# Altium PCB roach2.PcbDoc (part 22 of 39) (continued)
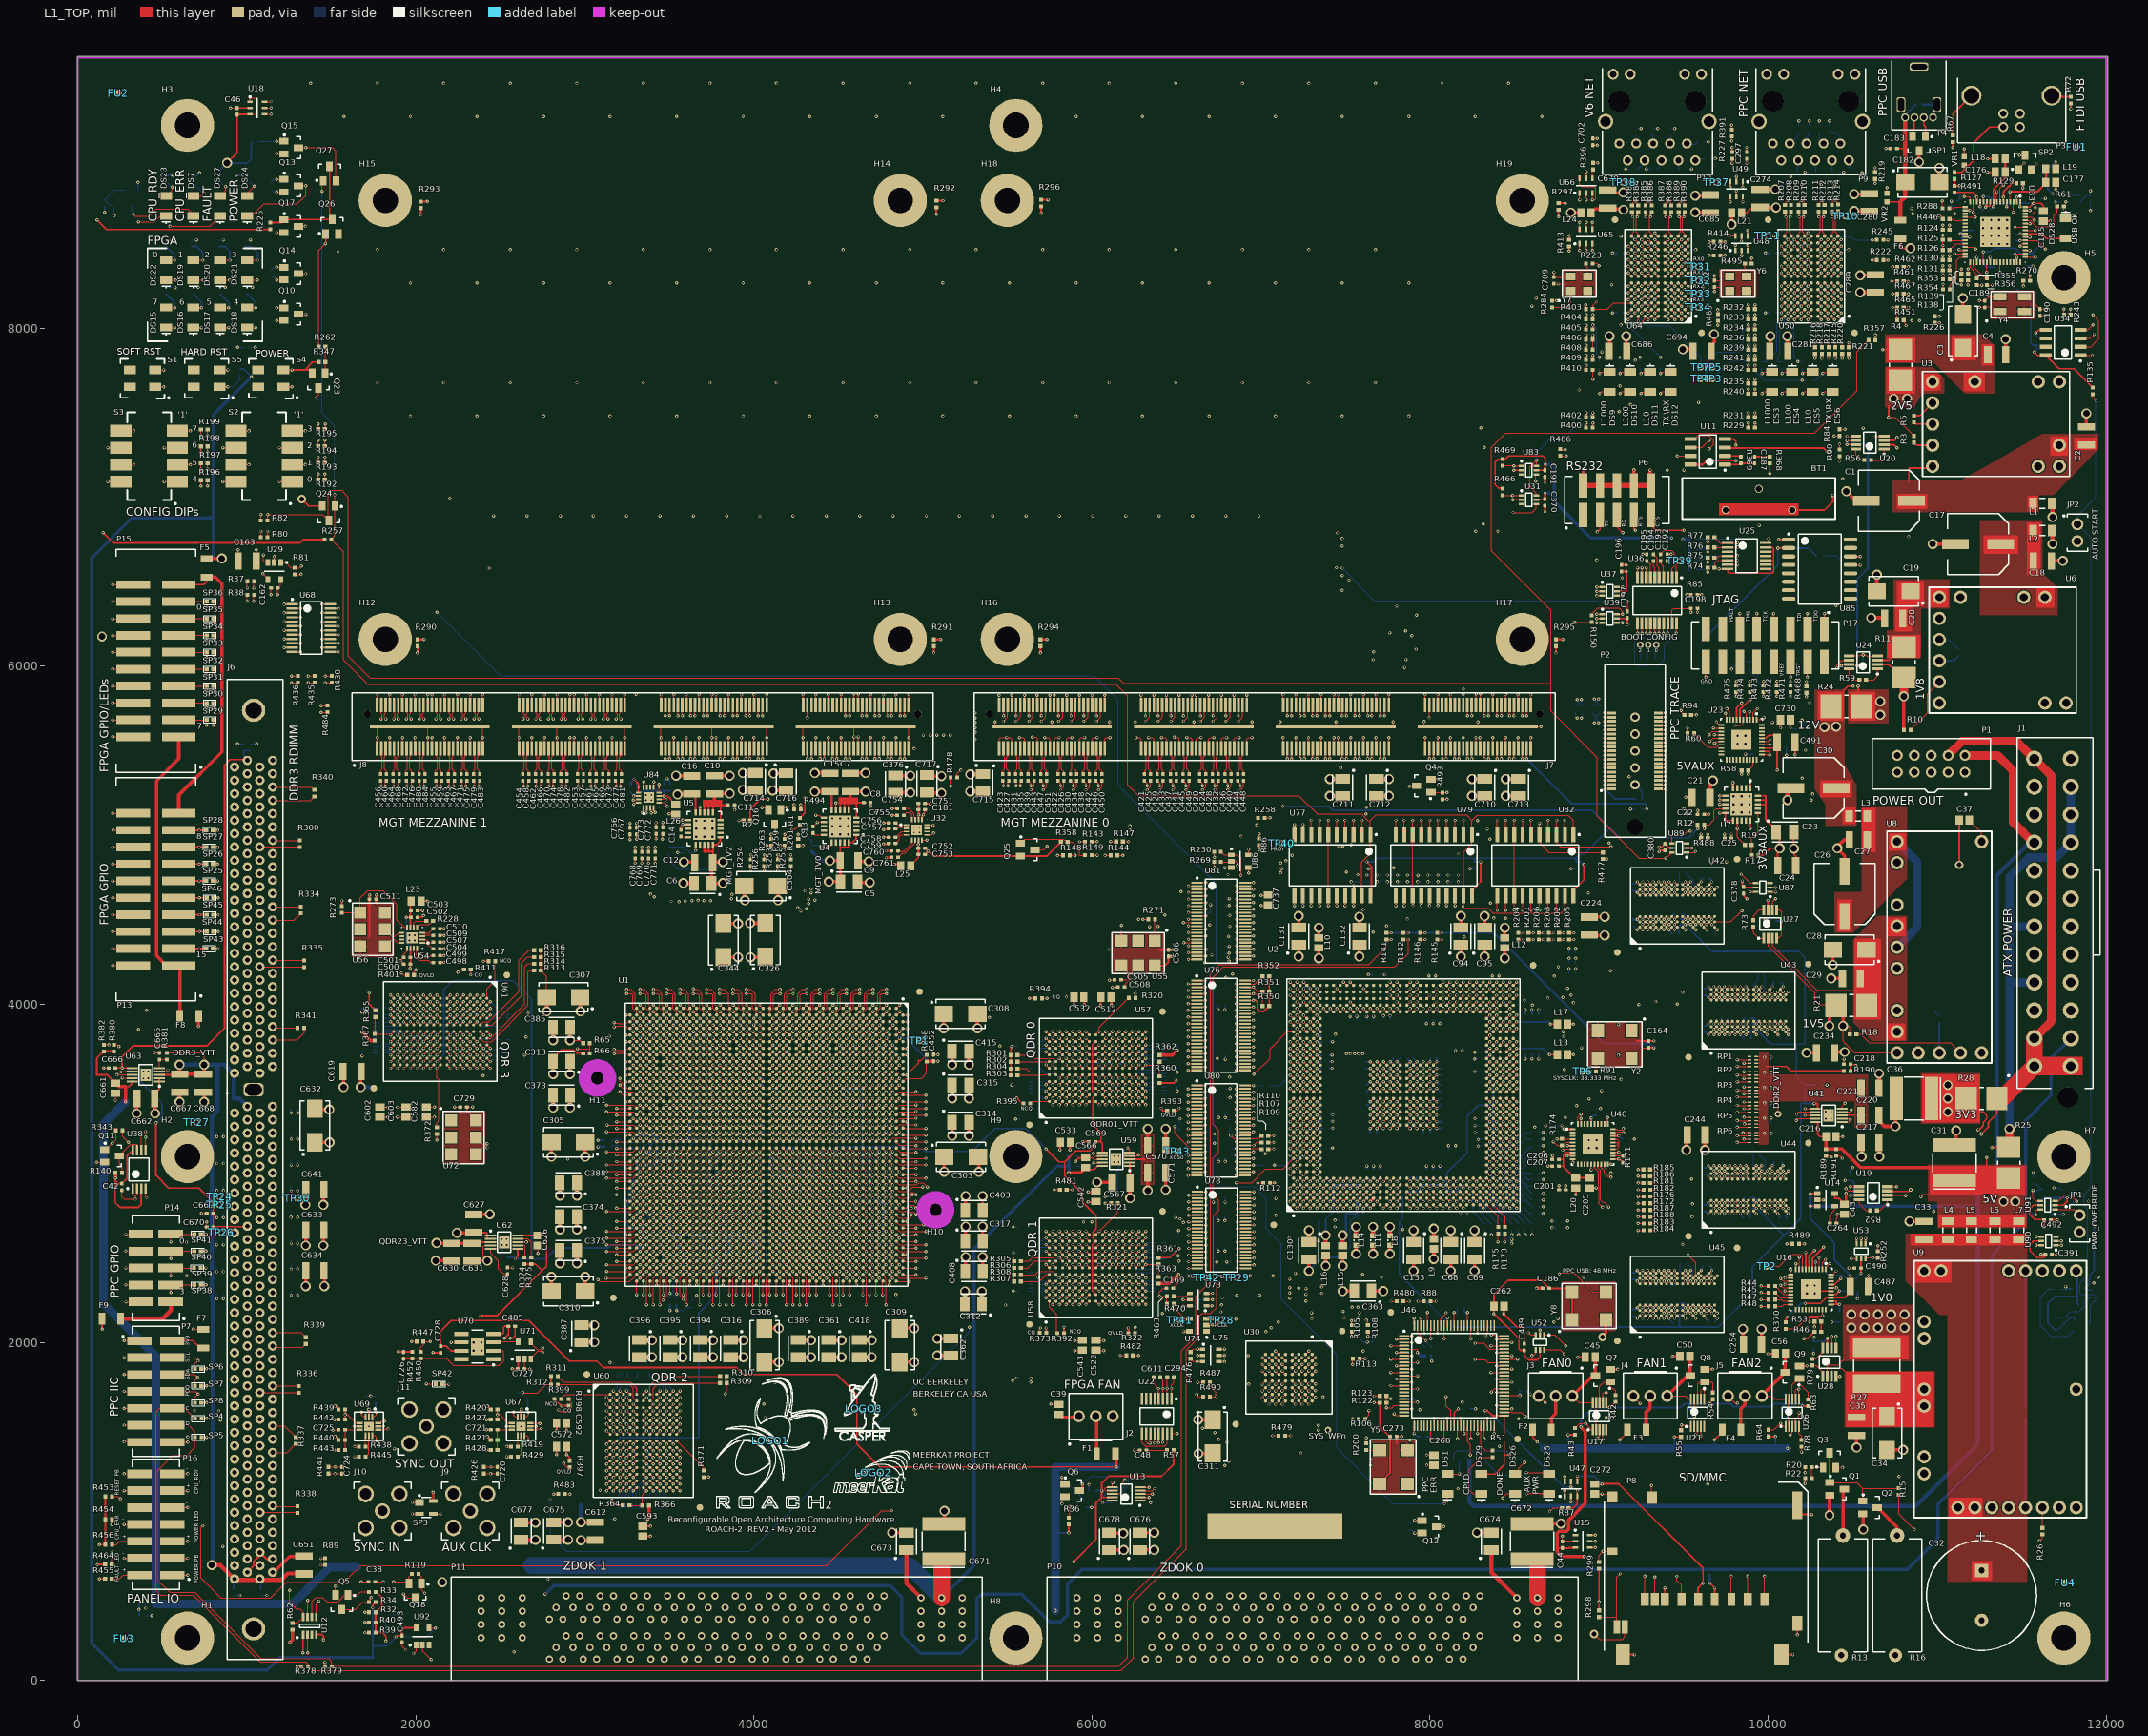
[diagram p0: L1_TOP view]
## Nets (pads, with @x,y where several pads share a name; then routed paths per layer and width w, separated by ;. In a path a pad name is that pad's centre, name@x,y a point inside that pad or via, vN(x,y) a via of type N, cw(c..) or ccw(c..) an arc to the next point about the centre after c; other vN are vias at no path point) (continued)
MGT_RX_AC22_N: C430.1 U1.V4 | length 2521.5
  L1_TOP w5: U1.V4@4212.6,3858.27 v1(4232.28,3877.95) ; C430.1@5874.02,5322.83 5889.8,5307.06 v2(5889.8,5292.99)
  L5_S w3.8: v1(4232.28,3877.95) 4232.28,3889.61 4251.88,3909.21 4251.88,3920.24 4262.99,3931.34 4262.99,4100.99 4262.89,4101.09 4262.89,4167.99 4559.69,4464.79 4945.48,4464.79 5442.98,4962.29 5632.88,4962.29 5909.4,5238.81 5909.4,5277.11 5893.51,5292.99 v2(5889.8,5292.99)
MGT_RX_AC22_P: C434.1 U1.V3 | length 2521.5
  L1_TOP w5: U1.V3@4212.6,3897.64 v1(4232.28,3917.32) ; v2(5889.8,5268.99) 5909.45,5288.65 C434.1@5909.45,5322.83
  L5_S w3.8: v1(4232.28,3917.32) 4250.99,3936.03 4250.99,4100.99 4251.09,4101.09 4251.09,4113.88 ccw(c4245.19,4113.88) 4245.19,4119.78 4237.86,4119.78 cw(c4237.86,4125.68) 4231.96,4125.68 cw(c4237.86,4125.68) 4237.86,4131.58 4245.19,4131.58 ccw(c4245.19,4137.48) 4251.09,4137.48 ccw(c4245.19,4137.48) 4245.19,4143.38 4237.86,4143.38 cw(c4237.86,4149.28) 4231.96,4149.28 cw(c4237.86,4149.28) 4237.86,4155.18 4245.19,4155.18 ccw(c4245.19,4161.08) 4251.09,4161.08 4251.09,4172.88 4554.8,4476.59 4940.59,4476.59 5438.09,4974.09 5627.99,4974.09 5889.8,5235.9 v2(5889.8,5268.99)
MGT_RX_AC23_N: C422.1 U1.W6 | length 2569.8
  L1_TOP w5: U1.W6@4173.23,3779.53 v1(4192.91,3799.21) ; C422.1@5799.21,5322.83 5814.99,5307.06 v2(5814.99,5292.99)
  L5_S w3.8: v1(4192.91,3799.21) 4192.91,3810.87 4216.68,3834.64 4216.68,4168.28 4546.89,4498.49 4918.99,4498.49 5430.59,5010.09 5607.29,5010.09 5834.59,5237.39 5834.59,5277.11 5818.71,5292.99 v2(5814.99,5292.99)
MGT_RX_AC23_P: C426.1 U1.W5 | length 2569.8
  L1_TOP w5: U1.W5@4173.23,3818.9 v1(4192.91,3838.58) ; v2(5814.99,5268.99) 5834.65,5288.65 C426.1@5834.65,5322.83
  L5_S w3.8: v1(4192.91,3838.58) 4208.51,3854.18 4208.51,3925.36 4204.88,3928.99 4204.88,3962 ccw(c4198.98,3962) 4198.98,3967.9 4196.86,3967.9 cw(c4196.86,3973.8) 4190.96,3973.8 cw(c4196.86,3973.8) 4196.86,3979.7 4198.98,3979.7 ccw(c4198.98,3985.6) 4204.88,3985.6 ccw(c4198.98,3985.6) 4198.98,3991.5 4196.86,3991.5 cw(c4196.86,3997.4) 4190.96,3997.4 cw(c4196.86,3997.4) 4196.86,4003.3 4198.98,4003.3 ccw(c4198.98,4009.2) 4204.88,4009.2 ccw(c4198.98,4009.2) 4198.98,4015.1 4196.86,4015.1 cw(c4196.86,4021) 4190.96,4021 cw(c4196.86,4021) 4196.86,4026.9 4198.98,4026.9 ccw(c4198.98,4032.8) 4204.88,4032.8 4204.88,4173.17 4542,4510.29 4914.1,4510.29 5425.7,5021.89 5602.4,5021.89 5814.99,5234.48 v2(5814.99,5268.99)
MGT_RX_AC24_N: C445.1 U1.J6 | length 3024.1
  L1_TOP w5: U1.J6@4566.93,3779.53 v1(4586.62,3799.21) ; C445.1@6539.37,5322.83 6555.15,5307.06 v2(6555.15,5292.99)
  L5_S w3.8: v1(4586.62,3799.21) 4586.62,3810.87 4610.39,3834.64 4610.39,4099.99 4703.99,4193.59 5069.58,4193.59 5562.38,4686.39 6278.48,4686.39 6566.99,4974.9 6566.99,5250.99 6572.99,5256.99 6572.99,5278.99 6558.99,5292.99 v2(6555.15,5292.99)
MGT_RX_AC24_P: C449.1 U1.J5 | length 3024.1
  L1_TOP w5: U1.J5@4566.93,3818.9 v1(4586.62,3838.58) ; v2(6555.15,5268.99) 6574.8,5288.65 C449.1@6574.8,5322.83
  L5_S w3.8: v1(4586.62,3838.58) 4602.22,3854.18 4602.22,3925.36 4598.59,3928.99 4598.59,3944 ccw(c4592.69,3944) 4592.69,3949.9 4573.53,3949.9 cw(c4573.53,3955.8) 4567.63,3955.8 cw(c4573.53,3955.8) 4573.53,3961.7 4592.69,3961.7 ccw(c4592.69,3967.6) 4598.59,3967.6 4598.59,4104.88 4699.1,4205.39 5064.69,4205.39 5557.49,4698.19 6273.59,4698.19 6554.99,4979.59 6554.99,5246.99 6555.15,5247.15 v2(6555.15,5268.99)
MGT_RX_AC25_N: C437.1 U1.L6 | length 3035.5
  L1_TOP w5: U1.L6@4488.19,3779.53 v1(4507.87,3799.21) ; C437.1@6464.57,5322.83 6480.35,5307.06 v2(6480.35,5292.99)
  L5_S w3.8: v1(4507.87,3799.21) 4507.87,3810.87 4531.64,3834.64 4531.64,4099.99 4670.74,4239.09 5054.38,4239.09 5544.48,4729.19 6257.38,4729.19 6490.99,4962.8 6490.99,5254.99 6498.99,5262.99 6498.99,5278.99 6484.99,5292.99 v2(6480.35,5292.99)
MGT_RX_AC25_P: C441.1 U1.L5 | length 3035.5
  L1_TOP w5: U1.L5@4488.19,3818.9 v1(4507.87,3838.58) ; v2(6480.35,5268.99) 6500,5288.65 C441.1@6500,5322.83
  L5_S w3.8: v1(4507.87,3838.58) 4523.47,3854.18 4523.47,3925.36 4519.84,3928.99 4519.84,3952 ccw(c4513.94,3952) 4513.94,3957.9 4494.48,3957.9 cw(c4494.48,3963.8) 4488.58,3963.8 cw(c4494.48,3963.8) 4494.48,3969.7 4513.94,3969.7 ccw(c4513.94,3975.6) 4519.84,3975.6 4519.84,4104.88 4665.86,4250.89 5049.49,4250.89 5539.59,4740.99 6252.49,4740.99 6480.99,4969.49 6480.99,5268.35 v2(6480.35,5268.99)
MGT_RX_AC26_N: C429.1 U1.N6 | length 3036.3
  L1_TOP w5: U1.N6@4409.45,3779.53 v1(4429.13,3799.21) ; C429.1@6385.83,5322.83 6401.61,5307.06 v2(6401.61,5292.99)
  L5_S w3.8: v1(4429.13,3799.21) 4429.13,3810.87 4452.9,3834.64 4452.9,4099.99 4637.8,4284.89 5035.88,4284.89 5531.28,4780.29 6234.18,4780.29 6411.49,4957.6 6411.49,5250.99 6418.99,5258.49 6418.99,5278.99 6404.99,5292.99 v2(6401.61,5292.99)
MGT_RX_AC26_P: C433.1 U1.N5 | length 3036.3
  L1_TOP w5: U1.N5@4409.45,3818.9 v1(4429.13,3838.58) ; v2(6401.61,5268.99) 6421.26,5288.65 C433.1@6421.26,5322.83
  L5_S w3.8: v1(4429.13,3838.58) 4444.73,3854.18 4444.73,3925.36 4441.1,3928.99 4441.1,4104.88 4450.22,4114 ccw(c4446.05,4118.17) 4450.22,4122.34 4448.96,4123.61 cw(c4453.13,4127.78) 4448.96,4131.95 cw(c4453.13,4127.78) 4457.3,4131.95 4458.57,4130.69 ccw(c4462.74,4134.86) 4466.91,4130.69 ccw(c4462.74,4134.86) 4466.91,4139.03 4465.65,4140.3 cw(c4469.82,4144.47) 4465.65,4148.64 cw(c4469.82,4144.47) 4473.99,4148.64 4475.25,4147.37 ccw(c4479.43,4151.55) 4483.6,4147.37 ccw(c4479.43,4151.55) 4483.6,4155.72 4482.33,4156.98 cw(c4486.51,4161.15) 4482.33,4165.33 cw(c4486.51,4161.15) 4490.68,4165.33 4491.94,4164.06 ccw(c4496.11,4168.23) 4500.29,4164.06 4538.34,4202.11 4632.92,4296.69 5030.99,4296.69 5526.39,4792.09 6229.29,4792.09 6399.69,4962.49 6399.69,5267.08 v2(6401.61,5268.99)
MGT_RX_AC27_N: C421.1 U1.P8 | length 3090.7
  L1_TOP w5: U1.P8@4369.18,3699.25 4370.4,3700.47 v1(4388.87,3718.94) ; C421.1@6311.02,5322.83 6326.8,5307.06 v2(6326.8,5292.99)
  L5_S w3.8: v1@4389.76,3720.47 4389.76,3732.12 4412.64,3755 4412.64,3771.69 4413.16,3772.21 4413.16,3924.39 4413.53,3924.76 4422.76,3933.99 4422.76,4120.06 4632.29,4329.59 5013.89,4329.59 5511.79,4827.49 6211.09,4827.49 6340.99,4957.39 6340.99,5254.99 6346.4,5260.4 6346.4,5277.11 6330.52,5292.99 v2(6326.8,5292.99)
MGT_RX_AC27_P: C425.1 U1.P7 | length 3090.7
  L1_TOP w5: U1.P7@4369.18,3738.62 4370.4,3739.84 v1(4388.87,3758.31) ; v2(6326.8,5268.99) 6346.46,5288.65 C425.1@6346.46,5322.83
  L5_S w3.8: v1@4389.76,3759.84 4405.36,3775.44 4405.36,3933.28 4410.96,3938.88 4410.96,4124.95 4418.01,4131.99 ccw(c4413.83,4136.17) 4418.01,4140.34 4413.16,4145.19 cw(c4417.33,4149.36) 4413.16,4153.53 cw(c4417.33,4149.36) 4421.5,4153.53 4426.35,4148.68 ccw(c4430.52,4152.85) 4434.69,4148.68 ccw(c4430.52,4152.85) 4434.69,4157.03 4429.85,4161.87 cw(c4434.02,4166.05) 4429.85,4170.22 cw(c4434.02,4166.05) 4438.19,4170.22 4443.04,4165.37 ccw(c4447.21,4169.54) 4451.38,4165.37 4627.4,4341.39 5009,4341.39 5506.9,4839.29 6206.2,4839.29 6328.99,4962.08 6328.99,5266.8 v2(6326.8,5268.99)
MGT_RX_AC28_N: C444.1 U1.E6 | length 2963.2
  L1_TOP w5: U1.E6@4724.41,3779.53 v1(4744.1,3799.21) ; C444.1@6862.2,5322.83 6862.36,5322.68 6877.98,5307.06 v2(6877.98,5292.99)
  L5_S w3.8: v1(4744.1,3799.21) 4759.7,3814.81 4907.71,3814.81 5625.59,4532.69 6343.48,4532.69 6888.99,5078.2 6888.99,5254.99 6894.99,5260.99 6894.99,5275.98 v2(6877.98,5292.99)
MGT_RX_AC28_P: C448.1 U1.E5 | length 2963.2
  L1_TOP w5: U1.E5@4724.41,3818.9 v1(4744.1,3838.58) ; v2(6877.98,5268.99) 6897.64,5288.65 C448.1@6897.64,5322.83
  L5_S w3.8: v1(4744.1,3838.58) 4759.7,3822.98 4806,3822.98 ccw(c4806,3828.88) 4811.9,3828.88 4811.9,3834.55 cw(c4817.8,3834.55) 4817.8,3840.45 cw(c4817.8,3834.55) 4823.7,3834.55 4823.7,3828.88 ccw(c4829.6,3828.88) 4829.6,3822.98 4899.2,3822.98 5620.7,4544.49 6338.59,4544.49 6878.99,5084.89 6878.99,5267.98 v2(6877.98,5268.99)
MGT_RX_AC29_N: C436.1 U1.F8 | length 3096.4
  L1_TOP w5: U1.F8@4684.14,3699.25 4685.36,3700.47 v1(4703.83,3718.94) ; C436.1@6787.56,5323.31 C436.1@6787.72,5323.15 ; C436.1@6787.72,5323.15 6803.34,5307.53 v2(6803.34,5293.46)
  L5_S w3.8: v1@4704.73,3720.47 4704.73,3737.14 4719.43,3751.85 4719.43,3763.52 4728.13,3772.21 4728.13,3798.63 4728.49,3798.99 4728.49,3924.76 4737.72,3933.99 4737.72,3972.38 4843.28,4077.94 5108.28,4077.94 5602.93,4572.59 6319.98,4572.59 6814.99,5067.6 6814.99,5256.99 6820.99,5262.99 6820.99,5275.81 v2(6803.34,5293.46)
MGT_RX_AC29_P: C440.1 U1.F7 | length 3096.4
  L1_TOP w5: U1.F7@4684.14,3738.62 4685.36,3739.84 v1(4703.83,3758.31) ; v2(6803.34,5269.46) 6822.99,5289.12 C440.1@6822.99,5323.31
  L5_S w3.8: v1@4704.73,3759.84 4720.33,3775.44 4720.33,3933.28 4725.92,3938.88 4725.92,3977.27 4745.83,3997.17 ccw(c4741.65,4001.35) 4745.83,4005.52 4732.07,4019.28 cw(c4736.24,4023.45) 4732.07,4027.62 cw(c4736.24,4023.45) 4740.41,4027.62 4754.17,4013.86 ccw(c4758.34,4018.03) 4762.51,4013.86 4838.39,4089.74 5103.39,4089.74 5598.04,4584.39 6315.09,4584.39 6802.99,5072.29 6802.99,5269.12 v2(6803.34,5269.46)
MGT_RX_AC30_N: C428.1 U1.G6 | length 3030.8
  L1_TOP w5: U1.G6@4645.67,3779.53 v1(4665.36,3799.21) ; C428.1@6712.6,5322.83 6728.38,5307.06 v2(6728.38,5292.99)
  L5_S w3.8: v1(4665.36,3799.21) 4665.36,3810.87 4689.13,3834.64 4689.13,4009.13 4764.99,4084.99 4764.99,4100.19 4784.59,4119.79 5097.28,4119.79 5590.88,4613.39 6307.38,4613.39 6738.99,5045 6738.99,5256.99 6746.99,5264.99 6746.99,5274.38 v2(6728.38,5292.99)
MGT_RX_AC30_P: C432.1 U1.G5 | length 3030.8
  L1_TOP w5: U1.G5@4645.67,3818.9 v1(4665.36,3838.58) ; v2(6728.38,5268.99) 6748.03,5288.65 C432.1@6748.03,5322.83
  L5_S w3.8: v1(4665.36,3838.58) 4680.96,3854.18 4680.96,3925.36 4677.33,3928.99 4677.33,4011.33 4684.07,4018.07 ccw(c4679.9,4022.24) 4684.07,4026.41 4671.09,4039.39 cw(c4675.26,4043.56) 4671.09,4047.73 cw(c4675.26,4043.56) 4679.43,4047.73 4692.41,4034.76 ccw(c4696.58,4038.93) 4700.76,4034.76 4753.19,4087.19 4753.19,4105.08 4779.7,4131.59 5092.39,4131.59 5585.99,4625.19 6302.49,4625.19 6726.99,5049.69 6726.99,5267.61 v2(6728.38,5268.99)
MGT_RX_AC31_N: C420.1 U1.H8 | length 3126.8
  L1_TOP w5: U1.H8@4605.4,3699.25 4606.62,3700.47 v1(4625.09,3718.94) ; C420.1@6637.8,5322.83 6653.57,5307.06 v2(6653.57,5292.99)
  L5_S w3.8: v1@4625.99,3720.47 4625.99,3732.12 4648.86,3755 4648.86,3765.67 4649.76,3766.57 4649.76,3924.76 4658.98,3933.99 4658.98,4100.99 4711.58,4153.59 5081.68,4153.59 5575.58,4647.49 6293.18,4647.49 6664.99,5019.3 6664.99,5254.99 6670.99,5260.99 6670.99,5278.99 v2@6656.99,5292.99
MGT_RX_AC31_P: C424.1 U1.H7 | length 3125.4
  L1_TOP w5: U1.H7@4605.4,3738.62 4606.62,3739.84 v1(4625.09,3758.31) ; v2(6653.57,5268.99) 6673.23,5288.65 C424.1@6673.23,5322.83
  L5_S w3.8: v1@4625.99,3759.84 4641.59,3775.44 4641.59,3933.28 4647.18,3938.88 4647.18,4018 ccw(c4641.28,4018) 4641.28,4023.9 4624.08,4023.9 cw(c4624.08,4029.8) 4618.18,4029.8 cw(c4624.08,4029.8) 4624.08,4035.7 4644.88,4035.7 ccw(c4644.88,4038) 4647.18,4038 4647.18,4105.88 4706.7,4165.39 5076.79,4165.39 5570.69,4659.29 6288.29,4659.29 6652.99,5023.99 6652.99,5268.41 v2(6653.57,5268.99)
MGT_RX_N0: C480.2 J8.A7 | length 163.6
  L1_TOP w5: C480.2@2019.68,5362.2 2016.34,5362.2 2016.34,5380.63 2026.41,5390.7 2026.41,5461.23 2020.41,5467.23 2021.28,5468.49 J8.A7@2021.28,5515.49
MGT_RX_N1: C472.2 J8.A5 | length 163.8
  L1_TOP w5: C472.2@1944.88,5362.2 1941.34,5362.2 1941.34,5380.63 1951.41,5390.7 1951.41,5461.23 1945.41,5467.23 1946.28,5468.49 J8.A5@1946.28,5515.49
MGT_RX_N2: C464.2 J8.A3 | length 160.2
  L1_TOP w5: C464.2@1866.34,5362.2 1866.34,5380.63 1876.41,5390.7 1876.41,5461.23 1870.41,5467.23 1871.28,5468.49 J8.A3@1871.28,5515.49
MGT_RX_N3: C456.2 J8.A1 | length 160.2
  L1_TOP w5: C456.2@1791.34,5362.2 1791.34,5380.63 1801.41,5390.7 1801.41,5461.23 1795.41,5467.23 1796.28,5468.49 J8.A1@1796.28,5515.49
MGT_RX_N4: C479.2 J8.A15 | length 161.4
  L1_TOP w5: C479.2@2342.52,5362.2 2341.34,5362.2 2341.34,5380.63 2351.41,5390.7 2351.41,5461.23 2345.41,5467.23 2346.28,5468.49 J8.A15@2346.28,5515.49
MGT_RX_N5: C471.2 J8.A13 | length 161.6
  L1_TOP w5: C471.2@2267.72,5362.2 2266.34,5362.2 2266.34,5380.63 2276.41,5390.7 2276.41,5461.23 2270.41,5467.23 2271.28,5468.49 J8.A13@2271.28,5515.49
MGT_RX_N6: C463.2 J8.A11 | length 161.8
  L1_TOP w5: C463.2@2192.91,5362.2 2191.34,5362.2 2191.34,5380.63 2201.41,5390.7 2201.41,5461.23 2195.41,5467.23 2196.28,5468.49 J8.A11@2196.28,5515.49
MGT_RX_N7: C455.2 J8.A9 | length 162
  L1_TOP w5: C455.2@2118.11,5362.2 2116.34,5362.2 2116.34,5380.63 2126.41,5390.7 2126.41,5461.23 2120.41,5467.23 2121.28,5468.49 J8.A9@2121.28,5515.49
MGT_RX_N8: C478.2 J8.B7 | length 162.1
  L1_TOP w5: C478.2@2858.27,5362.2 2856.34,5362.2 2856.34,5380.63 2866.41,5390.7 2866.41,5461.23 2860.41,5467.23 2861.28,5468.49 J8.B7@2861.28,5515.49
MGT_RX_N9: C470.2 J8.B5 | length 162.3
  L1_TOP w5: C470.2@2783.46,5362.2 2781.34,5362.2 2781.34,5380.63 2791.41,5390.7 2791.41,5461.23 2785.41,5467.23 2786.28,5468.49 J8.B5@2786.28,5515.49
MGT_RX_N10: C462.2 J8.B3 | length 162.5
  L1_TOP w5: C462.2@2708.66,5362.2 2706.34,5362.2 2706.34,5380.63 2716.41,5390.7 2716.41,5461.23 2710.41,5467.23 2711.28,5468.49 J8.B3@2711.28,5515.49
MGT_RX_N11: C454.2 J8.B1 | length 162.7
  L1_TOP w5: C454.2@2633.86,5362.2 2631.34,5362.2 2631.34,5380.63 2641.41,5390.7 2641.41,5461.23 2635.41,5467.23 2636.28,5468.49 J8.B1@2636.28,5515.49
MGT_RX_N12: C477.2 J8.B15 | length 160.2
  L1_TOP w5: C477.2@3181.34,5362.2 3181.34,5380.63 3191.41,5390.7 3191.41,5461.23 3185.41,5467.23 3186.28,5468.49 J8.B15@3186.28,5515.49
MGT_RX_N13: C469.2 J8.B13 | length 160.2
  L1_TOP w5: C469.2@3106.3,5362.2 3106.34,5380.63 3116.41,5390.7 3116.41,5461.23 3110.41,5467.23 3111.28,5468.49 J8.B13@3111.28,5515.49
MGT_RX_N14: C461.2 J8.B11 | length 160.2
  L1_TOP w5: C461.2@3031.34,5362.2 3031.34,5380.63 3041.41,5390.7 3041.41,5461.23 3035.41,5467.23 3036.28,5468.49 J8.B11@3036.28,5515.49
MGT_RX_N15: C453.2 J8.B9 | length 160.2
  L1_TOP w5: C453.2@2956.34,5362.2 2956.34,5380.63 2966.41,5390.7 2966.41,5461.23 2960.41,5467.23 2961.28,5468.49 J8.B9@2961.28,5515.49
MGT_RX_N16: C447.2 J7.A7 | length 161.3
  L1_TOP w5: C447.2@5697.44,5362.2 5697.44,5380.63 5707.52,5390.7 5707.52,5461.23 5701.52,5467.23 5702.38,5468.49 5702.38,5515.49 J7.A7@5701.28,5515.49
MGT_RX_N17: C439.2 J7.A5 | length 161.3
  L1_TOP w5: C439.2@5622.44,5362.2 5622.44,5380.63 5632.52,5390.7 5632.52,5461.23 5626.52,5467.23 5627.38,5468.49 5627.38,5515.49 J7.A5@5626.28,5515.49
MGT_RX_N18: C431.2 J7.A3 | length 161.3
  L1_TOP w5: C431.2@5547.44,5362.2 5547.44,5380.63 5557.52,5390.7 5557.52,5461.23 5551.52,5467.23 5552.38,5468.49 5552.38,5515.49 J7.A3@5551.28,5515.49
MGT_RX_N19: C423.2 J7.A1 | length 161.3
  L1_TOP w5: C423.2@5472.44,5362.2 5472.44,5380.63 5482.52,5390.7 5482.52,5461.23 5476.52,5467.23 5477.38,5468.49 5477.38,5515.49 J7.A1@5476.28,5515.49
MGT_RX_N20: C446.2 J7.A15 | length 162.5
  L1_TOP w5: C446.2@6023.62,5362.2 6022.44,5362.2 6022.44,5380.63 6032.52,5390.7 6032.52,5461.23 6026.52,5467.23 6027.38,5468.49 6027.38,5515.49 J7.A15@6026.28,5515.49
MGT_RX_N21: C438.2 J7.A13 | length 162.7
  L1_TOP w5: C438.2@5948.82,5362.2 5947.44,5362.2 5947.44,5380.63 5957.52,5390.7 5957.52,5461.23 5951.52,5467.23 5952.38,5468.49 5952.38,5515.49 J7.A13@5951.28,5515.49
MGT_RX_N22: C430.2 J7.A11 | length 162.9
  L1_TOP w5: C430.2@5874.02,5362.2 5872.44,5362.2 5872.44,5380.63 5882.52,5390.7 5882.52,5461.23 5876.52,5467.23 5877.38,5468.49 5877.38,5515.49 J7.A11@5876.28,5515.49
MGT_RX_N23: C422.2 J7.A9 | length 163.1
  L1_TOP w5: C422.2@5799.21,5362.2 5797.44,5362.2 5797.44,5380.63 5807.52,5390.7 5807.52,5461.23 5801.52,5467.23 5802.38,5468.49 5802.38,5515.49 J7.A9@5801.28,5515.49
MGT_RX_N24: C445.2 J7.B7 | length 163.2
  L1_TOP w5: C445.2@6539.37,5362.2 6537.44,5362.2 6537.44,5380.63 6547.52,5390.7 6547.52,5461.23 6541.52,5467.23 6542.38,5468.49 6542.38,5515.49 J7.B7@6541.28,5515.49
MGT_RX_N25: C437.2 J7.B5 | length 163.4
  L1_TOP w5: C437.2@6464.57,5362.2 6462.44,5362.2 6462.44,5380.63 6472.52,5390.7 6472.52,5461.23 6466.52,5467.23 6467.38,5468.49 6467.38,5515.49 J7.B5@6466.28,5515.49
MGT_RX_N26: C429.2 J7.B3 | length 162.9
  L1_TOP w5: C429.2@6385.83,5362.2 6387.44,5362.2 6387.44,5380.63 6397.52,5390.7 6397.52,5461.23 6391.52,5467.23 6392.38,5468.49 6392.38,5515.49 J7.B3@6391.28,5515.49
MGT_RX_N27: C421.2 J7.B1 | length 162.7
  L1_TOP w5: C421.2@6311.02,5362.2 6312.44,5362.2 6312.44,5380.63 6322.52,5390.7 6322.52,5461.23 6316.52,5467.23 6317.38,5468.49 6317.38,5515.49 J7.B1@6316.28,5515.49
MGT_RX_N28: C444.2 J7.B15 | length 161.3
  L1_TOP w5: C444.2@6862.44,5362.2 6862.44,5362.68 6862.44,5380.63 6872.52,5390.7 6872.52,5461.23 6866.52,5467.23 6867.38,5468.49 6867.38,5515.49 J7.B15@6866.28,5515.49
MGT_RX_N29: C436.2 J7.B13 | length 161.3
  L1_TOP w5: C436.2@6787.4,5362.2 6787.44,5380.63 6797.52,5390.7 6797.52,5461.23 6791.52,5467.23 6792.38,5468.49 6792.38,5515.49 J7.B13@6791.28,5515.49
MGT_RX_N30: C428.2 J7.B11 | length 161.3
  L1_TOP w5: C428.2@6712.44,5362.2 6712.44,5380.63 6722.52,5390.7 6722.52,5461.23 6716.52,5467.23 6717.38,5468.49 6717.38,5515.49 J7.B11@6716.28,5515.49
MGT_RX_N31: C420.2 J7.B9 | length 161.3
  L1_TOP w5: C420.2@6637.44,5362.2 6637.44,5380.63 6647.52,5390.7 6647.52,5461.23 6641.52,5467.23 6642.38,5468.49 6642.38,5515.49 J7.B9@6641.28,5515.49
MGT_RX_P0: C484.2 J8.A8 | length 156.6
  L1_TOP w5: J8.A8@2046.28,5515.49 2046.28,5468.49 2045.41,5467.23 2039.41,5461.23 2039.41,5392.99 2051.77,5380.63 C484.2@2051.77,5366.77
MGT_RX_P1: C476.2 J8.A6 | length 156.6
  L1_TOP w5: J8.A6@1971.28,5515.49 1971.28,5468.49 1970.41,5467.23 1964.41,5461.23 1964.41,5392.99 1976.77,5380.63 C476.2@1976.77,5366.77
MGT_RX_P2: C468.2 J8.A4 | length 161.2
  L1_TOP w5: J8.A4@1896.28,5515.49 1896.28,5468.49 1895.41,5467.23 1889.41,5461.23 1889.41,5392.99 1901.77,5380.63 1901.77,5366.77 C468.2@1901.57,5362.2
MGT_RX_P3: C460.2 J8.A2 | length 161.2
  L1_TOP w5: J8.A2@1821.28,5515.49 1821.28,5468.49 1820.41,5467.23 1814.41,5461.23 1814.41,5392.99 1826.77,5380.63 C460.2@1826.77,5362.2
MGT_RX_P4: C483.2 J8.A16 | length 161.3
  L1_TOP w5: J8.A16@2371.28,5515.49 2371.28,5468.49 2370.41,5467.23 2364.41,5461.23 2364.41,5392.99 2376.77,5380.63 2376.77,5366.77 C483.2@2377.95,5362.2
MGT_RX_P5: C475.2 J8.A14 | length 161.4
  L1_TOP w5: J8.A14@2296.28,5515.49 2296.28,5468.49 2295.41,5467.23 2289.41,5461.23 2289.41,5392.99 2301.77,5380.63 2301.77,5366.77 C475.2@2303.15,5362.2
MGT_RX_P6: C467.2 J8.A12 | length 161.4
  L1_TOP w5: J8.A12@2221.28,5515.49 2221.28,5468.49 2220.41,5467.23 2214.41,5461.23 2214.41,5392.99 2226.77,5380.63 2226.77,5366.77 C467.2@2228.35,5362.2
MGT_RX_P7: C459.2 J8.A10 | length 161.5
  L1_TOP w5: J8.A10@2146.28,5515.49 2146.28,5468.49 2145.41,5467.23 2139.41,5461.23 2139.41,5392.99 2151.77,5380.63 2151.77,5366.77 C459.2@2153.54,5362.2
MGT_RX_P8: C482.2 J8.B8 | length 161.6
  L1_TOP w5: J8.B8@2886.28,5515.49 2886.28,5468.49 2885.41,5467.23 2879.41,5461.23 2879.41,5392.99 2891.77,5380.63 2891.77,5366.77 C482.2@2893.7,5362.2
MGT_RX_P9: C474.2 J8.B6 | length 156.6
  L1_TOP w5: J8.B6@2811.28,5515.49 2811.28,5468.49 2810.41,5467.23 2804.41,5461.23 2804.41,5392.99 2816.77,5380.63 C474.2@2816.77,5366.77
MGT_RX_P10: C466.2 J8.B4 | length 156.6
  L1_TOP w5: J8.B4@2736.28,5515.49 2736.28,5468.49 2735.41,5467.23 2729.41,5461.23 2729.41,5392.99 2741.77,5380.63 C466.2@2741.77,5366.77
MGT_RX_P11: C458.2 J8.B2 | length 156.6
  L1_TOP w5: J8.B2@2661.28,5515.49 2661.28,5468.49 2660.41,5467.23 2654.41,5461.23 2654.41,5392.99 2666.77,5380.63 C458.2@2666.77,5366.77
MGT_RX_P12: C481.2 J8.B16 | length 161.2
  L1_TOP w5: J8.B16@3211.28,5515.49 3211.28,5468.49 3210.41,5467.23 3204.41,5461.23 3204.41,5392.99 3216.77,5380.63 3216.77,5366.77 C481.2@3216.54,5362.2
MGT_RX_P13: C473.2 J8.B14 | length 161.2
  L1_TOP w5: J8.B14@3136.28,5515.49 3136.28,5468.49 3135.41,5467.23 3129.41,5461.23 3129.41,5392.99 3141.77,5380.63 3141.77,5366.77 C473.2@3141.73,5362.2
MGT_RX_P14: C465.2 J8.B12 | length 161.2
  L1_TOP w5: J8.B12@3061.28,5515.49 3061.28,5468.49 3060.41,5467.23 3054.41,5461.23 3054.41,5392.99 3066.77,5380.63 3066.77,5366.77 C465.2@3066.93,5362.2
MGT_RX_P15: C457.2 J8.B10 | length 161.2
  L1_TOP w5: J8.B10@2986.28,5515.49 2986.28,5468.49 2985.41,5467.23 2979.41,5461.23 2979.41,5392.99 2991.77,5380.63 2991.77,5366.77 C457.2@2992.13,5362.2
MGT_RX_P16: C451.2 J7.A8 | length 162.3
  L1_TOP w5: J7.A8@5726.28,5515.49 5727.38,5515.49 5727.38,5468.49 5726.52,5467.23 5720.52,5461.23 5720.52,5392.99 5732.87,5380.63 5732.87,5366.77 C451.2@5732.28,5362.2
MGT_RX_P17: C443.2 J7.A6 | length 162.3
  L1_TOP w5: J7.A6@5651.28,5515.49 5652.38,5515.49 5652.38,5468.49 5651.52,5467.23 5645.52,5461.23 5645.52,5392.99 5657.87,5380.63 5657.87,5366.77 C443.2@5657.48,5362.2
MGT_RX_P18: C435.2 J7.A4 | length 162.3
  L1_TOP w5: J7.A4@5576.28,5515.49 5577.38,5515.49 5577.38,5468.49 5576.52,5467.23 5570.52,5461.23 5570.52,5392.99 5582.87,5380.63 5582.87,5366.77 C435.2@5582.68,5362.2
MGT_RX_P19: C427.2 J7.A2 | length 162.3
  L1_TOP w5: J7.A2@5501.28,5515.49 5502.38,5515.49 5502.38,5468.49 5501.52,5467.23 5495.52,5461.23 5495.52,5392.99 5507.87,5380.63 C427.2@5507.87,5362.2
MGT_RX_P20: C450.2 J7.A16 | length 162.4
  L1_TOP w5: J7.A16@6051.28,5515.49 6052.38,5515.49 6052.38,5468.49 6051.52,5467.23 6045.52,5461.23 6045.52,5392.99 6057.87,5380.63 6057.87,5366.77 C450.2@6059.05,5362.2
MGT_RX_P21: C442.2 J7.A14 | length 162.5
  L1_TOP w5: J7.A14@5976.28,5515.49 5977.38,5515.49 5977.38,5468.49 5976.52,5467.23 5970.52,5461.23 5970.52,5392.99 5982.87,5380.63 5982.87,5366.77 C442.2@5984.25,5362.2
MGT_RX_P22: C434.2 J7.A12 | length 162.5
  L1_TOP w5: J7.A12@5901.28,5515.49 5902.38,5515.49 5902.38,5468.49 5901.52,5467.23 5895.52,5461.23 5895.52,5392.99 5907.87,5380.63 5907.87,5366.77 C434.2@5909.45,5362.2
MGT_RX_P23: C426.2 J7.A10 | length 162.6
  L1_TOP w5: J7.A10@5826.28,5515.49 5827.38,5515.49 5827.38,5468.49 5826.52,5467.23 5820.52,5461.23 5820.52,5392.99 5832.87,5380.63 5832.87,5366.77 C426.2@5834.65,5362.2
MGT_RX_P24: C449.2 J7.B8 | length 162.7
  L1_TOP w5: J7.B8@6566.28,5515.49 6567.38,5515.49 6567.38,5468.49 6566.52,5467.23 6560.52,5461.23 6560.52,5392.99 6572.87,5380.63 6572.87,5366.77 C449.2@6574.8,5362.2
MGT_RX_P25: C441.2 J7.B6 | length 157.7
  L1_TOP w5: J7.B6@6491.28,5515.49 6492.38,5515.49 6492.38,5468.49 6491.52,5467.23 6485.52,5461.23 6485.52,5392.99 6497.87,5380.63 C441.2@6497.87,5366.77
MGT_RX_P26: C433.2 J7.B4 | length 162.5
  L1_TOP w5: J7.B4@6416.28,5515.49 6417.38,5515.49 6417.38,5468.49 6416.52,5467.23 6410.52,5461.23 6410.52,5392.99 6422.87,5380.63 6422.87,5366.77 C433.2@6421.26,5362.2
MGT_RX_P27: C425.2 J7.B2 | length 162.5
  L1_TOP w5: J7.B2@6341.28,5515.49 6342.38,5515.49 6342.38,5468.49 6341.52,5467.23 6335.52,5461.23 6335.52,5392.99 6347.87,5380.63 6347.87,5366.77 C425.2@6346.46,5362.2
MGT_RX_P28: C448.2 J7.B16 | length 162.3
  L1_TOP w5: J7.B16@6891.28,5515.49 6892.38,5515.49 6892.38,5468.49 6891.52,5467.23 6885.52,5461.23 6885.52,5392.99 6897.87,5380.63 6897.87,5366.77 C448.2@6897.64,5362.2
MGT_RX_P29: C440.2 J7.B14 | length 161.8
  L1_TOP w5: J7.B14@6816.28,5515.49 6817.38,5515.49 6817.38,5468.49 6816.52,5467.23 6810.52,5461.23 6810.52,5392.99 6822.87,5380.63 6822.87,5366.77 C440.2@6822.99,5362.68
MGT_RX_P30: C432.2 J7.B12 | length 162.3
  L1_TOP w5: J7.B12@6741.28,5515.49 6742.38,5515.49 6742.38,5468.49 6741.52,5467.23 6735.52,5461.23 6735.52,5392.99 6747.87,5380.63 6747.87,5366.77 C432.2@6748.03,5362.2
MGT_RX_P31: C424.2 J7.B10 | length 162.3
  L1_TOP w5: J7.B10@6666.28,5515.49 6667.38,5515.49 6667.38,5468.49 6666.52,5467.23 6660.52,5461.23 6660.52,5392.99 6672.87,5380.63 6672.87,5366.77 C424.2@6673.23,5362.2
MGT_TX_N0: J8.A23 U1.AW2 | length 2766.8
  L1_TOP w5: v3(2020.08,5688.98) 2027.95,5696.85 2027.95,5716.54 2021.44,5723.05 J8.A23@2021.44,5770.49 ; v1(3325.99,4063.99) 3354.78,4063.99 3362.99,4055.78 3362.99,3976.1 3385.83,3953.27 U1.AW2@3385.83,3937.01
  L3_S w3.8: v3(2020.08,5688.98) 2020.08,5687.91 2028.99,5678.99 2028.99,5525.68 1993.19,5489.88 1993.19,4890.79 2746.99,4136.99 3258.99,4136.99 3282.99,4112.99 3282.99,4080.99 3294.99,4068.99 3312.99,4068.99 3317.99,4063.99 v1(3325.99,4063.99)
MGT_TX_N1: J8.A21 U1.AY4 | length 2839.2
  L1_TOP w5: v3(1945.08,5688.98) 1952.95,5696.85 1952.95,5716.54 1946.44,5723.05 J8.A21@1946.44,5770.49 ; v1(3326.77,3877.95) U1.AY4@3346.46,3858.27
  L3_S w3.8: v3(1945.08,5688.98) 1952.99,5681.06 1952.99,5525.68 1917.19,5489.88 1917.19,4912.1 2724.2,4105.09 3230.89,4105.09 3230.99,4104.99 3254.99,4104.99 3262.99,4096.99 3262.99,3964.13 3307.07,3920.05 3307.07,3909.16 3326.77,3889.46 v1(3326.77,3877.95)
MGT_TX_N2: J8.A19 U1.BA2 | length 2809.9
  L1_TOP w5: v3(1870.08,5688.98) 1877.95,5696.85 1877.95,5716.54 1871.44,5723.05 J8.A19@1871.44,5770.49 ; v1(3247.25,4063.99) 3276.04,4063.99 3284.25,4055.78 3284.25,3976.1 3307.09,3953.27 U1.BA2@3307.09,3937.01
  L3_S w3.8: v3(1870.08,5688.98) 1870.08,5687.91 1878.99,5678.99 1878.99,5527.68 1837.19,5485.88 1837.19,4935 2702.1,4070.09 3241.15,4070.09 v1(3247.25,4063.99) v1@3239.25,4063.99
MGT_TX_N3: J8.A17 U1.BB4 | length 2816.2
  L1_TOP w5: v3(1794.76,5688.98) 1801.96,5696.18 1801.96,5712.6 1796.28,5718.28 J8.A17@1796.28,5770.49 ; v1@3175.99,3867.99 3176.63,3868.63 3198.17,3868.63 3199.99,3870.45 3242.81,3870.45 3254.99,3858.27 U1.BB4@3267.72,3858.27
  L3_S w3.8: v3(1794.76,5688.98) 1794.76,5688.66 1803.19,5680.23 1803.19,5545.88 1743.19,5485.88 1743.19,4974.1 2684.1,4033.19 2977.92,4033.19 3138.1,3873.01 3166.97,3873.01 v1(3172.99,3866.99)
MGT_TX_N4: J8.A31 U1.AR2 | length 2650.7
  L1_TOP w5: v3(2345.08,5688.98) 2352.95,5696.85 2352.95,5716.54 2346.44,5723.05 J8.A31@2346.44,5770.49 ; v1(3483.47,4063.99) 3512.26,4063.99 3520.47,4055.78 3520.47,3976.1 3543.31,3953.27 U1.AR2@3543.31,3937.01
  L3_S w3.8: v3(2345.08,5688.98) 2345.08,5688.66 2353.19,5680.55 2353.19,5521.88 2317.19,5485.88 2317.19,4808.79 2852.99,4272.99 3284.99,4272.99 3440.47,4117.51 3440.47,4080.99 3452.47,4068.99 3470.47,4068.99 3475.47,4063.99 v1(3483.47,4063.99)
MGT_TX_N5: J8.A29 U1.AT4 | length 2726.8
  L1_TOP w5: v3(2270.08,5688.98) 2277.95,5696.85 2277.95,5716.54 2271.44,5723.05 J8.A29@2271.44,5770.49 ; v1(3484.25,3877.95) U1.AT4@3503.94,3858.27
  L3_S w3.8: v3(2270.08,5688.98) 2270.08,5687.91 2279.19,5678.79 2279.19,5525.88 2239.19,5485.88 2239.19,4826.1 2828.2,4237.09 3268.89,4237.09 3268.99,4236.99 3279.73,4236.99 3421.73,4094.99 3421.73,3962.87 3464.55,3920.05 3464.55,3909.16 3484.25,3889.46 v1(3484.25,3877.95)
MGT_TX_N6: J8.A27 U1.AU2 | length 2706.4
  L1_TOP w5: v3(2195.08,5688.98) 2202.95,5696.85 2202.95,5716.54 2196.44,5723.05 J8.A27@2196.44,5770.49 ; v1(3404.73,4063.99) 3433.52,4063.99 3441.73,4055.78 3441.73,3976.1 3464.57,3953.27 U1.AU2@3464.57,3937.01
  L3_S w3.8: v3(2195.08,5688.98) 2195.08,5686.91 2202.99,5678.99 2202.99,5525.68 2165.19,5487.88 2165.19,4838.79 2800.99,4202.99 3274.99,4202.99 3361.73,4116.25 3361.73,4080.99 3373.73,4068.99 3391.73,4068.99 3396.73,4063.99 v1(3404.73,4063.99)
MGT_TX_N7: J8.A25 U1.AV4 | length 2787
  L1_TOP w5: v3(2120.08,5688.98) 2127.95,5696.85 2127.95,5716.54 2121.44,5723.05 J8.A25@2121.44,5770.49 ; v1(3405.51,3877.95) U1.AV4@3425.2,3858.27
  L3_S w3.8: v3(2120.08,5688.98) 2120.08,5685.91 2126.99,5678.99 2126.99,5537.68 2079.19,5489.88 2079.19,4866.1 2776.2,4169.09 3264.89,4169.09 3264.99,4168.99 3268.99,4168.99 3342.99,4094.99 3342.99,3962.87 3385.81,3920.05 3385.81,3909.16 3405.51,3889.46 v1(3405.51,3877.95)
MGT_TX_N8: J8.B23 U1.AL2 | length 2219.8
  L1_TOP w5: v3(2860.08,5688.98) 2867.95,5696.85 2867.95,5716.54 2861.44,5723.05 J8.B23@2861.44,5770.49 ; v1(3640.95,4063.99) 3669.74,4063.99 3677.95,4055.78 3677.95,3976.1 3700.79,3953.27 U1.AL2@3700.79,3937.01
  L3_S w3.8: v3(2860.08,5688.98) 2860.08,5685.91 2866.99,5678.99 2866.99,5551.19 2907.19,5510.99 2907.19,4838.79 3597.95,4148.03 3597.95,4080.99 3609.95,4068.99 3627.95,4068.99 3632.95,4063.99 v1(3640.95,4063.99)
MGT_TX_N9: J8.B21 U1.AM4 | length 2344.8
  L1_TOP w5: v3(2785.08,5688.98) 2792.95,5696.85 2792.95,5716.54 2786.44,5723.05 J8.B21@2786.44,5770.49 ; v1(3641.73,3877.95) U1.AM4@3661.42,3858.27
  L3_S w3.8: v3(2785.08,5688.98) 2789.54,5684.52 2789.54,5550.45 2831.19,5508.79 2831.19,4758.1 3198.3,4390.99 3306.99,4390.99 3579.21,4118.77 3579.21,3962.87 3622.03,3920.05 3622.03,3909.16 3641.73,3889.46 v1(3641.73,3877.95)